# Altium PCB AUV4.5-1 Lights Control Board.PcbDoc (part 2 of 2)
Units mm, origin at the board's own origin, x right, y up, seen from the top; angles counter-clockwise.
Board outline 55 x 65 mm, 4 copper layers (L1 (SIG + PWR), L2 (GND), L3 (GND), L4 (SIG + PWR)), stack 1.586 mm thick; 88 components, 87 nets, 348 pads, 180 vias.
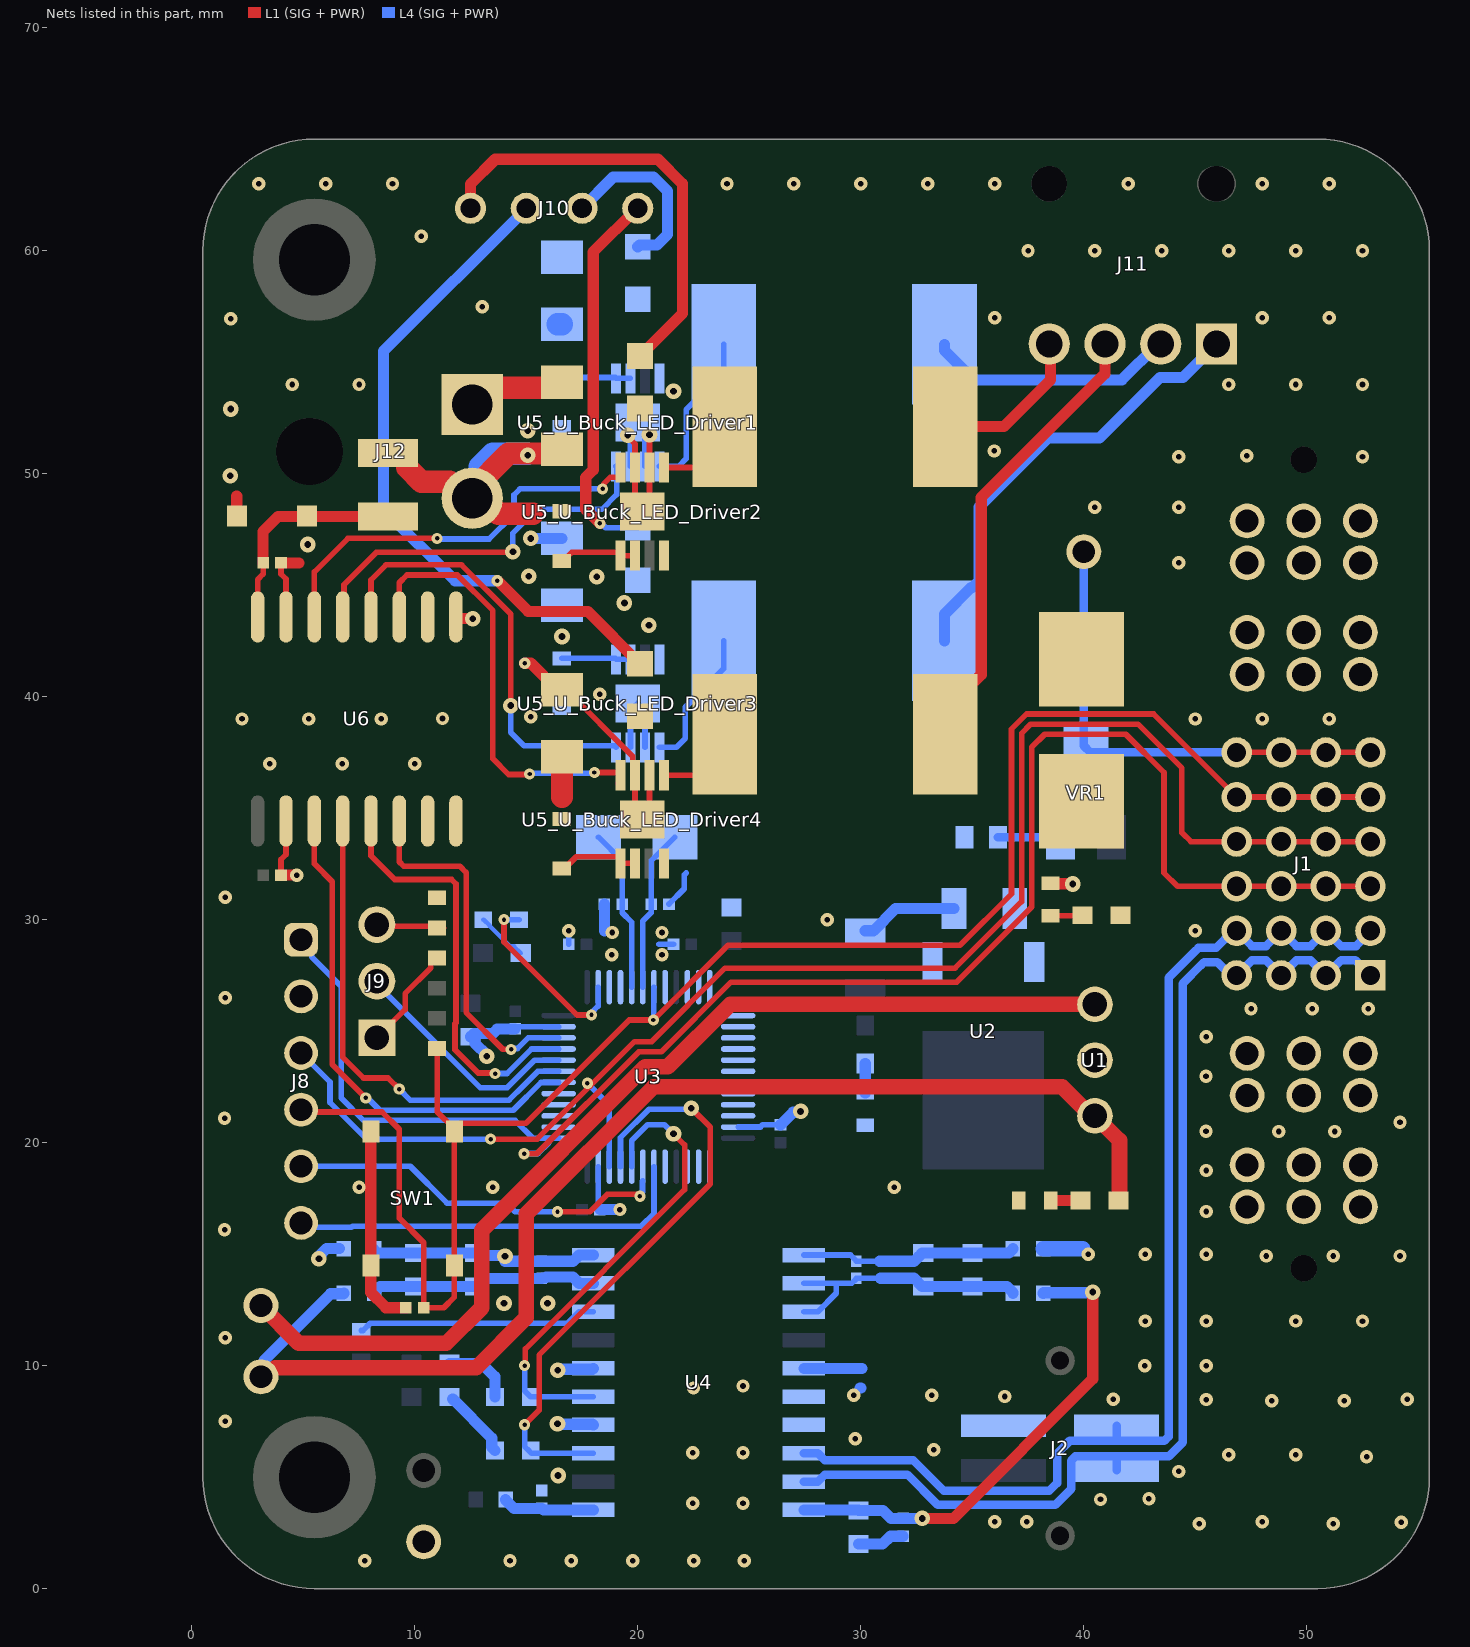
[diagram p4: the nets of this part, all layers, seen from the top]

## Via types
v1: diameter 0.6, hole 0.25, L1 (SIG + PWR) to L4 (SIG + PWR), tented both sides, 123 vias
v2: diameter 0.7, hole 0.3, L1 (SIG + PWR) to L4 (SIG + PWR), tented both sides, 36 vias
v3: diameter 0.5, hole 0.2, L1 (SIG + PWR) to L4 (SIG + PWR), tented both sides, 21 vias

## Nets (pads, with @x,y where several pads share a name; then routed paths per layer and width w, separated by ;. In a path a pad name is that pad's centre, name@x,y a point inside that pad or via, vN(x,y) a via of type N, cw(c..) or ccw(c..) an arc to the next point about the centre after c; other vN are vias at no path point) (continued)
+5.1V_UN-ISO: C24.2 D5.1 R13.2 U6.16 | length 9.8
  L1 (SIG + PWR) w0.254: U6.16@2.955,43.575 2.955,45.255 3.2,45.5 C24.2@3.2,46
  L1 (SIG + PWR) w0.5: C24.2@3.2,46 3.2,47.4 3.875,48.075 R13.2@8.8,48.075
+5V: C1.2 FB2.1 J5.1 R3.1 U1.3 U2.3 | length 56.1
  L1 (SIG + PWR) w0.7: J5.1@3.1,9.5 3.335,9.5 3.735,9.9 12.743,9.9 15,12.157 15,16.8 20.7,22.5 39.038,22.5 40.338,21.2 U1.3@40.5,21.2 41.6,20.1 41.6,17.45 R3.1@41.55,17.4
  L4 (SIG + PWR) w0.5: J5.1@3.1,9.3 3.234,9.434 3.234,10.234 6.221,13.221 6.796,13.221 FB2.1@6.825,13.25
+12V: F1.2 J4.1 R2.1 U1.1 | length 46.4
  L1 (SIG + PWR) w0.7: J4.1@3.1,12.7 4.8,11 11.4,11 13,12.6 13,16.073 20.327,23.4 21.342,23.4 24.142,26.2 U1.1@40.5,26.2
+12V_IN: F1.1 J1.P03_1 J1.P03_2 J1.P03_3 J1.P03_4 J1.P03_5 J1.P03_6
+14.8V_UN-ISO: C22_U_Buck_LED_Driver1.2 C22_U_Buck_LED_Driver2.2 C22_U_Buck_LED_Driver3.2 C22_U_Buck_LED_Driver4.2 D4_U_Buck_LED_Driver1.1 D4_U_Buck_LED_Driver2.1 D4_U_Buck_LED_Driver3.1 D4_U_Buck_LED_Driver4.1 J12.2 R12_U_Buck_LED_Driver1.1 R12_U_Buck_LED_Driver2.1 R12_U_Buck_LED_Driver3.1 R12_U_Buck_LED_Driver4.1 R13.1 U5_U_Buck_LED_Driver1.8 U5_U_Buck_LED_Driver2.8 U5_U_Buck_LED_Driver3.8 U5_U_Buck_LED_Driver4.8 | length 18.8
  L1 (SIG + PWR) w1: R13.1@8.8,50.925 9.525,50.925 9.65,50.8 9.65,50.287 10.303,49.635 J12.2@11.565,49.635 ; J12.2@11.9,49.3 12.297,49.3 J12.2@12.575,49.022 ; J12.2@12.575,48.9 J12.2@12.575,49.022 ; 15.3,48.2 13.749,48.2 12.926,49.022 J12.2@12.575,49.022 ; 16.6,35.5 C22_U_Buck_LED_Driver4.2@16.6,37.3 ; C22_U_Buck_LED_Driver2.2@16.6,51.1 16.4,50.9 14.2,50.9 12.575,49.275 J12.2@12.575,49.022
  L4 (SIG + PWR) w1: J12.2@11.9,49.3 12.501,49.3 12.91,49.708 12.91,50.31 13.495,50.895 v2@15.063,50.895 ; C22_U_Buck_LED_Driver1.2@16.4,56.7 C22_U_Buck_LED_Driver1.2@16.6,56.7
  other v1: 15.2,39.1 18.3,40.1
  other v2: 16.6,42.7 20.5,43.2 19.4,44.2 15.115,45.397 18.164,45.38 15.063,50.829 15.063,51.929 21.6,53.7
Board_ID: J1.A06 J1.B06 J1.C06 J1.D06 J7.1 VR1.2 | length 21.7
  L1 (SIG + PWR) w0.254: J1.D06@46.855,37.5 J1.C06@48.855,37.5 J1.B06@50.855,37.5 J1.A06@52.855,37.5
  L4 (SIG + PWR) w0.381: J7.1@40,46.5 40,37.8 40.3,37.5 J1.D06@46.855,37.5
BOOT0: J9.2 U3.44 | length 10.7
  L4 (SIG + PWR) w0.254: J9.2@8.3,27.24 8.3,27.1 9.352,26.048 12.931,22.469 14.145,22.469 15.375,23.698 16.448,23.698 U3.44@16.45,23.7
BOOT1: U3.20
CAN_N: J1.A02 J1.B02 J1.C02 J1.D02 J2.4 U4.18 | length 51.7
  L4 (SIG + PWR) w0.381: U4.18@27.45,6.07 28.075,6.07 28.393,5.752 32.356,5.752 33.709,4.399 38.462,4.399 38.8,4.738 38.8,6.063 39.372,6.635 41.47,6.635 ; J2.4@41.47,7.3 41.47,6.635 ; J1.A02@52.855,29.5 52.855,29.464 52.209,28.817 51.537,28.817 J1.B02@50.855,29.5 50.172,28.817 49.537,28.817 J1.C02@48.855,29.5 48.172,28.817 47.537,28.817 J1.D02@46.855,29.5 46.697,29.5 45.932,28.735 45.137,28.735 45,28.598 44.172,27.77 43.8,27.398 43.8,6.82 43.615,6.635 41.47,6.635
CAN_P: J1.A01 J1.B01 J1.C01 J1.D01 J2.2 U4.19 | length 51.6
  L4 (SIG + PWR) w0.381: U4.19@27.45,4.8 28.075,4.8 28.393,5.117 32.093,5.117 33.446,3.764 38.725,3.764 39.435,4.475 39.435,5.745 39.62,5.93 41.47,5.93 ; J2.2@41.47,5.3 41.47,5.93 ; J1.A01@52.855,27.5 52.361,27.994 52.361,27.998 52.177,28.182 51.537,28.182 J1.B01@50.855,27.5 50.172,28.182 49.537,28.182 J1.C01@48.855,27.5 48.172,28.182 47.537,28.182 J1.D01@46.855,27.5 46.588,27.5 45.988,28.1 45.4,28.1 45.263,27.963 44.435,27.135 44.435,6.557 43.808,5.93 41.47,5.93
CAN_RX: D3.1 U3.32 U4.5 | length 21.4
  L1 (SIG + PWR) w0.254: v3(14.925,10) 14.958,10.033 14.958,10.754 22.1,17.896 22.1,19.9 v2(21.6,20.4)
  L4 (SIG + PWR) w0.254: v3(14.925,10) 14.927,9.998 14.927,8.873 D3.1@15.2,8.6 15.21,8.61 U4.5@18,8.61 ; U3.32@19.725,18.925 19.725,20.083 20.442,20.8 21.2,20.8 v2(21.6,20.4)
CAN_TX: D2.1 U3.33 U4.3 | length 27.1
  L1 (SIG + PWR) w0.254: v3(14.925,7.35) 15.575,8 15.575,10.475 23.246,18.146 23.246,20.7 v2(22.4,21.546)
  L4 (SIG + PWR) w0.254: v3(14.925,7.35) 14.927,7.348 14.927,6.373 D2.1@15.13,6.17 ; D2.1@15.23,6.07 U4.3@18,6.07 ; U3.33@19.225,18.925 19.225,20.225 20.5,21.5 22.354,21.5 v2(22.4,21.546)
CANISO_+5V: C14.1 C15.1 FB3.1 U4.20 | length 21.9
  L1 (SIG + PWR) w0.5: v2(32.75,3.15) 34.15,3.15 40.4,9.4 v2(40.4,13.3)
  L4 (SIG + PWR) w0.5: U4.20@27.45,3.53 29.9,3.53 C15.1@29.9,3.5 31,3.5 31.35,3.15 C14.1@31.9,3.15 v2(32.75,3.15) ; FB3.1@38.175,13.25 FB3.1@38.2,13.275 ; FB3.1@38.186,13.243 38.211,13.268 40.386,13.268 v2@40.411,13.293 ; v2@40.375,13.275 v2(40.4,13.3)
CANISO_GND: C14.2 C15.2 FB5.1 J1.P01_1 J1.P01_2 J1.P01_3 J1.P01_4 J1.P01_5 J1.P01_6 J1.P02_1 J1.P02_2 J1.P02_3 J1.P02_4 J1.P02_5 J1.P02_6 J2.3 U4.15 U4.16 U4.17 | length 6.5
  L4 (SIG + PWR) w0.5: U4.15@27.45,9.88 30.045,9.88 30.05,9.875 ; C15.2@29.9,2 30.975,2 31.325,2.35 C14.2@31.9,2.35 ; 29.973,9 30,9
  L4 (SIG + PWR) w0.7: FB5.1@38.186,15.243 39.961,15.243
  other v1: 45.18,2.918 51.18,2.918 54.229,2.979 36,3 37.437,3.005 48,3 40.75,4 42.922,4.027 44.252,5.255 52.68,5.918 46.5,6 49.5,6 33.268,6.221 29.754,6.73 48.43,8.418 51.68,8.418 41.314,8.493 45.484,8.48 54.5,8.5 36.451,8.616 29.68,8.668 33.18,8.668 45.496,9.991 42.731,10.001 42.75,12 45.5,12 49.5,12 52.5,12 48.18,14.918 51.18,14.918 54.18,14.918 40.204,14.992 42.75,15 45.5,15 45.5,16.912 45.5,18.75 45.482,20.507 48.75,20.5 51.25,20.5 54.18,20.918 45.482,22.976 45.5,24.75 47.5,26 50.25,26 52.75,26 45,29.5
FB_GND: C13.2 C16.2 C17.2 C18.2 FB4.2 U4.4 U4.6 U4.10 | length 13.3
  L4 (SIG + PWR) w0.5: FB4.2@8.175,15.2 8.175,15.175 8.3,15.05 C16.2@10,15.05 12.788,15.05 12.9,14.938 14.008,14.938 v2(14.046,14.9) ; v2@14.046,14.679 C18.2@15.7,14.679 17.094,14.679 17.375,14.96 U4.10@18,14.96 ; v2(16.4,7.4) 16.43,7.37 17.97,7.37 U4.4@18,7.34 ; v2(16.406,9.8) 16.444,9.838 17.958,9.838 U4.6@18,9.88
  other v2: 16.425,5.075 14,12.8 15.954,12.8
GND: C3.1 C4.1 C5.1 C6.1 C7.1 C8.1 C9.1 C10.1 C11.1 C12.1 C23.1 DS1.2 DS2.2 DS3.2 FB4.1 J1.P04_1 J1.P04_2 J1.P04_3 J1.P04_4 J1.P04_5 J1.P04_6 J3.1 J8.2 R1.1 R5.1 SW1.3 SW1.4 U1.2 U2.1 U3.8 U3.23 U3.35 U3.47 U6.2 U6.7 U6.8 U6.10 | length 29.9
  L1 (SIG + PWR) w0.254: C23.1@4,32 4,32.7 4.225,32.925 U6.2@4.225,34.425
  L1 (SIG + PWR) w0.5: C23.1@4,32 v1(4.7,32) ; SW1.3@8.025,20.5 SW1.4@8.025,14.5 8.025,13.275 8.7,12.6 C12.1@9.6,12.6 ; DS1.2@38.5,31.625 38.512,31.612 39.488,31.612 v2(39.5,31.6)
  L4 (SIG + PWR) w0.254: C7.1@14.5,25.1 14.598,25.198 16.448,25.198 U3.47@16.45,25.2 ; C4.1@16.9,28.9 v1(16.9,29.496) ; U3.35@18.225,18.925 18.225,17.075 C6.1@18.3,17 ; 20.947,28.9 C8.1@21.6,28.9 ; C11.1@21.4,30.7 22.083,31.383 22.083,32.007 22.169,32.093 ; U3.23@24.5,20.7 25.5,20.7 25.6,20.8 C5.1@26.4,20.8
  L4 (SIG + PWR) w0.5: v2(5.7,14.8) 5.738,14.838 5.738,14.938 6.05,15.25 FB4.1@6.625,15.25 ; C3.1@12.5,24.75 12.65,24.9 13.5,24.9 13.7,25.1 C7.1@14.5,25.1 ; C3.1@12.55,24.75 12.7,24.6 12.7,24.454 13.231,23.924 v2(13.231,23.869) ; C6.1@18.3,17 v1(19.2,17) ; 18.5,29.5 C10.1@18.5,30.7 ; C5.1@26.4,20.8 26.962,21.362 27.262,21.362 v2(27.3,21.4)
  other v1: 7.75,1.25 14.268,1.26 17.018,1.26 19.768,1.26 22.518,1.26 24.768,1.26 22.468,3.838 24.718,3.838 22.468,6.088 24.718,6.088 1.5,7.5 22.5,9 24.718,9.088 1.5,11.25 1.468,16.088 7.5,18 13.5,18 31.5,18 1.468,21.088 1.5,26.5 18.825,28.425 21.086,28.425 18.85,29.425 21.086,29.425 28.5,30 1.5,31 3.5,37 6.75,37 10,37 2.25,39 5.25,39 8.5,39 11.241,39.021 45,39 48,39 51,39 44.25,46 40.5,48.5 44.25,48.5 44.25,50.75 52.5,50.75 47.312,50.8
GND_UN-ISO: C22_U_Buck_LED_Driver1.1 C22_U_Buck_LED_Driver2.1 C22_U_Buck_LED_Driver3.1 C22_U_Buck_LED_Driver4.1 C24.1 D5.2 J12.1 U5_U_Buck_LED_Driver1.2 U5_U_Buck_LED_Driver1.3 U5_U_Buck_LED_Driver1.9 U5_U_Buck_LED_Driver2.2 U5_U_Buck_LED_Driver2.3 U5_U_Buck_LED_Driver2.9 U5_U_Buck_LED_Driver3.2 U5_U_Buck_LED_Driver3.3 U5_U_Buck_LED_Driver3.9 U5_U_Buck_LED_Driver4.2 U5_U_Buck_LED_Driver4.3 U5_U_Buck_LED_Driver4.9 U6.9 U6.15 | length 37.4
  L1 (SIG + PWR) w0.254: C24.1@4,46 4,45.5 4.225,45.275 U6.15@4.225,43.575 ; C22_U_Buck_LED_Driver4.1@16.4,40.3 C22_U_Buck_LED_Driver4.1@16.6,40.3 16.8,40.3 19.777,37.323 19.777,36.573 U5_U_Buck_LED_Driver4.3@19.875,36.475 19.875,34.825 U5_U_Buck_LED_Driver4.9@20.2,34.5 20.525,34.825 U5_U_Buck_LED_Driver4.2@20.525,36.475 ; v2(19.55,51.725) 19.55,51.652 19.875,51.327 U5_U_Buck_LED_Driver2.3@19.875,50.275 19.875,48.625 U5_U_Buck_LED_Driver2.9@20.2,48.3 20.525,48.625 U5_U_Buck_LED_Driver2.2@20.525,50.275 v2(20.525,51.746)
  L1 (SIG + PWR) w0.5: 2,49 2.012,48.987 2.012,48.112 D5.2@2.025,48.1 ; C24.1@4,46 4.8,46 ; U6.9@11.845,43.575 11.845,43.546 11.891,43.5 v2(12.6,43.5) ; v3(14.931,41.5) 15.2,41.5 C22_U_Buck_LED_Driver4.1@16.4,40.3
  L1 (SIG + PWR) w1: J12.1@11.9,53.5 12.25,53.85 16.35,53.85 C22_U_Buck_LED_Driver2.1@16.6,54.1
  L4 (SIG + PWR) w0.254: U5_U_Buck_LED_Driver3.3@19.675,37.725 19.675,39.375 U5_U_Buck_LED_Driver3.9@20,39.7 20.325,39.375 U5_U_Buck_LED_Driver3.2@20.325,37.725 ; U5_U_Buck_LED_Driver1.3@19.675,50.325 U5_U_Buck_LED_Driver1.9@19.675,51.725 ; U5_U_Buck_LED_Driver1.2@20.325,50.325 U5_U_Buck_LED_Driver1.9@20.325,51.746
  L4 (SIG + PWR) w0.5: v2(15.2,47.096) 16.596,47.096 C22_U_Buck_LED_Driver3.1@16.6,47.1
  other v1: 35.981,51.018 4.5,54 7.5,54 46.5,54 49.5,54 52.5,54 1.744,56.948 36,57 48,57 51,57 13.018,57.477 37.5,60 40.5,60 43.5,60 46.5,60 49.5,60 52.5,60 10.287,60.645 3,63 6,63 9,63 24,63 27,63 30,63 33,63 36,63 42,63 48,63 51,63
  other v2: 5.2,46.825 1.725,49.9 1.75,52.9
LED1_A: J10.1 R12_U_Buck_LED_Driver3.2 | length 17.2
  L1 (SIG + PWR) w0.5: v3(18.3,47.769) 17.665,48.404 17.665,49.829 18,50.164 18,59.933 19.967,61.9 J10.1@20,61.9
  L4 (SIG + PWR) w0.254: v3(18.3,47.769) 18.367,47.769 18.561,47.575 R12_U_Buck_LED_Driver3.2@20,47.575
LED1_K: J11.1 L1_U_Buck_LED_Driver3.1 | length 20.4
  L4 (SIG + PWR) w0.5: L1_U_Buck_LED_Driver3.1@33.75,42.5 33.75,43.696 34.95,44.896 35.009,44.896 35.304,45.191 35.304,48.504 38.4,51.6 40.7,51.6 43.415,54.315 44.445,54.315 J11.1@45.95,55.82
LED1_PWM: U3.45 U6.5 | length 18.9
  L1 (SIG + PWR) w0.254: U6.5@8.035,34.425 8.035,32.865 9.1,31.8 11.652,31.8 11.846,31.606 11.846,25.383 11.8,25.337 11.8,24.166 12.846,23.12 13.58,23.12 v3(13.6,23.1)
  L4 (SIG + PWR) w0.254: v3@13.601,23.1 14.135,23.1 15.235,24.2 U3.45@16.45,24.2
LED1_PWM_UNISO: U5_U_Buck_LED_Driver3.4 U6.12 | length 19.4
  L1 (SIG + PWR) w0.254: U6.12@8.035,43.575 8.035,45.235 8.708,45.908 12.092,45.908 14.3,43.7 v2(14.3,39.6)
  L4 (SIG + PWR) w0.254: v2(14.3,39.6) 14.3,38.4 14.9,37.8 18.95,37.8 U5_U_Buck_LED_Driver3.4@19.025,37.725
LED2_A: J10.2 R12_U_Buck_LED_Driver1.2 | length 8.2
  L4 (SIG + PWR) w0.5: J10.2@17.5,61.9 18.9,63.3 20.7,63.3 21.325,62.675 21.325,60.725 20.855,60.255 20.08,60.255 R12_U_Buck_LED_Driver1.2@20,60.175
LED2_K: J11.2 L1_U_Buck_LED_Driver1.1 | length 11.2
  L4 (SIG + PWR) w0.5: L1_U_Buck_LED_Driver1.1@33.75,55.8 33.75,55.523 35.073,54.2 41.7,54.2 43.32,55.82 J11.2@43.45,55.82
LED2_PWM: U3.43 U6.4 | length 21.6
  L1 (SIG + PWR) w0.254: U6.4@6.765,34.425 6.765,23.835 7.7,22.9 8.8,22.9 v3(9.3,22.4)
  L4 (SIG + PWR) w0.254: v3(9.3,22.4) 9.792,21.908 14.227,21.908 14.894,22.575 15.517,23.198 16.448,23.198 U3.43@16.45,23.2
LED2_PWM_UNISO: U5_U_Buck_LED_Driver1.4 U6.13 | length 17.1
  L1 (SIG + PWR) w0.254: U6.13@6.765,43.575 6.822,43.632 6.822,45.022 8.269,46.469 14.369,46.469 v2(14.4,46.5)
  L4 (SIG + PWR) w0.254: v2(14.4,46.5) 14.4,47.334 15.466,48.4 18.391,48.4 19.05,49.059 19.05,50.3 U5_U_Buck_LED_Driver1.4@19.025,50.325
LED3_A: J10.3 R12_U_Buck_LED_Driver4.2 | length 30.5
  L1 (SIG + PWR) w0.5: v3(13.7,45.2) 15.089,43.811 17.764,43.811 R12_U_Buck_LED_Driver4.2@20.1,41.475
  L4 (SIG + PWR) w0.5: v3(13.7,45.2) 11.8,45.2 8.6,48.4 8.6,55.5 J10.3@15,61.9
LED3_K: J11.3 L1_U_Buck_LED_Driver4.1 | length 20.5
  L1 (SIG + PWR) w0.5: L1_U_Buck_LED_Driver4.1@33.793,38.313 33.793,39.509 34.993,40.709 35.126,40.709 35.4,40.982 35.4,48.934 40.95,54.484 J11.3@40.95,55.82
LED3_PWM: U3.46 U6.6 | length 16.4
  L1 (SIG + PWR) w0.254: U6.6@9.305,34.425 9.3,34.42 9.3,32.6 9.5,32.4 12.017,32.4 12.3,32.117 12.3,25.834 13.947,24.187 14.313,24.187 v3(14.321,24.179)
  L4 (SIG + PWR) w0.254: v3(14.321,24.179) 14.368,24.226 14.608,24.226 15.082,24.7 U3.46@16.45,24.7
LED3_PWM_UNISO: U5_U_Buck_LED_Driver4.4 U6.11 | length 19.7
  L1 (SIG + PWR) w0.254: U6.11@9.305,43.575 9.305,45.105 9.654,45.454 11.904,45.454 13.5,43.858 13.5,37.214 14.207,36.507 15.122,36.507 v3(15.146,36.531) ; v3(18.054,36.6) 19.127,36.6 19.225,36.502 U5_U_Buck_LED_Driver4.4@19.225,36.475 19.225,36.198 U5_U_Buck_LED_Driver4.4@19.127,36.1
  L4 (SIG + PWR) w0.254: v3(15.146,36.531) 15.181,36.565 18.019,36.565 v3(18.054,36.6)
LED4_A: J10.4 R12_U_Buck_LED_Driver2.2 | length 20
  L1 (SIG + PWR) w0.5: J10.4@12.5,61.9 12.5,62.992 13.608,64.1 20.9,64.1 22,63 22,57.175 R12_U_Buck_LED_Driver2.2@20.1,55.275
LED4_K: J11.4 L1_U_Buck_LED_Driver2.1 | length 7.7
  L1 (SIG + PWR) w0.5: L1_U_Buck_LED_Driver2.1@33.793,52.113 36.413,52.113 38.5,54.2 J11.4@38.5,56.3
LED4_PWM: U3.42 U6.3 | length 22.8
  L1 (SIG + PWR) w0.254: U6.3@5.495,34.425 5.495,32.505 6.3,31.7 6.3,23.508 v3(7.804,22.004)
  L4 (SIG + PWR) w0.254: v3(7.804,22.004) 7.87,22.004 7.993,21.881 8.004,21.881 8.43,21.454 14.415,21.454 15.659,22.698 16.448,22.698 U3.42@16.45,22.7
LED4_PWM_UNISO: U5_U_Buck_LED_Driver2.4 U6.14 | length 18.5
  L1 (SIG + PWR) w0.254: U6.14@5.495,43.575 5.495,45.595 7,47.1 v3(11,47.1) ; v3(18.419,49.32) 18.466,49.367 18.466,49.539 18.771,49.844 19.127,49.844 19.225,49.942 U5_U_Buck_LED_Driver2.4@19.225,50.275
  L4 (SIG + PWR) w0.254: v3(11,47.1) 11.032,47.068 13.334,47.068 14.449,48.183 14.449,49.049 14.72,49.32 v3(18.419,49.32)
NetC1_1: C1.1 C2.1 | length 4.4
  L4 (SIG + PWR) w0.5: C2.1@30.2,29.5 30.56,29.5 31.56,30.5 C1.1@34.18,30.5
NetC13_1: C13.1 FB1.2 U4.1 | length 4.1
  L4 (SIG + PWR) w0.5: FB1.2@14.075,4 14.075,3.975 14.45,3.6 C13.1@15.7,3.6 15.77,3.53 U4.1@18,3.53
NetC16_1: C16.1 C17.1 C18.1 FB2.2 U4.9 | length 10.3
  L4 (SIG + PWR) w0.5: FB2.2@8.175,13.2 FB2.2@8.175,13.225 ; FB2.2@8.175,13.25 8.175,13.275 8.45,13.55 C16.1@10,13.55 12.75,13.55 13.115,13.915 C18.1@15.686,13.915 ; C18.1@15.7,13.921 15.708,13.929 15.848,13.929 15.89,13.971 17.094,13.971 17.375,13.69 U4.9@18,13.69
NetC19_1: C19.1 C20.1 C21.1 FB3.2 U4.12 U4.13 | length 12
  L4 (SIG + PWR) w0.254: U4.13@27.45,12.42 28.075,12.42 28.9,13.245 28.9,13.69 ; U4.12@27.45,13.69 28.9,13.69 ; 30.879,13.921 C19.1@29.8,13.921 29.8,13.9 29.59,13.69 28.9,13.69
  L4 (SIG + PWR) w0.5: 30.879,13.921 32.379,13.921 32.75,13.55 C20.1@32.8,13.55 C21.1@35,13.55 36.55,13.55 36.825,13.275 FB3.2@36.825,13.25
NetC19_2: C19.2 C20.2 C21.2 FB5.2 U4.11 | length 9.8
  L4 (SIG + PWR) w0.254: U4.11@27.45,14.96 29.54,14.96 29.8,14.7 C19.2@29.8,14.679 30.85,14.679
  L4 (SIG + PWR) w0.5: 30.85,14.679 32.38,14.679 32.6,14.898 32.6,14.9 32.75,15.05 C20.2@32.8,15.05 C21.2@35,15.05 36.65,15.05 36.825,15.225 FB5.2@36.825,15.25
NetD1_2: D1.2 R8.2 | length 2.3
  L4 (SIG + PWR) w0.203: D1.2@13.073,30 13.098,30 13.371,29.726 13.371,29.701 14.274,28.798 14.452,28.798 R8.2@14.75,28.5
NetD2_2: D2.2 R9.2 | length 3.1
  L4 (SIG + PWR) w0.5: R9.2@11.7,8.5 11.75,8.45 13.45,6.75 13.45,6.35 D2.2@13.6,6.2
NetD3_2: D3.2 R10.2 | length 3.2
  L4 (SIG + PWR) w0.5: R10.2@11.55,10.1 13,10.1 13.6,9.5 D3.2@13.6,8.6
NetD4_U_Buck_LED_Driver1_2: D4_U_Buck_LED_Driver1.2 U5_U_Buck_LED_Driver1.5 U5_U_Buck_LED_Driver1.6 | length 3.1
  L4 (SIG + PWR) w0.254: D4_U_Buck_LED_Driver1.2@16.6,54.315 18.985,54.315 U5_U_Buck_LED_Driver1.5@19.025,54.275 ; U5_U_Buck_LED_Driver1.5@19.031,54.281 U5_U_Buck_LED_Driver1.6@19.669,54.281
NetD4_U_Buck_LED_Driver2_2: D4_U_Buck_LED_Driver2.2 U5_U_Buck_LED_Driver2.5 U5_U_Buck_LED_Driver2.6 | length 3.6
  L1 (SIG + PWR) w0.254: D4_U_Buck_LED_Driver2.2@16.6,46.085 16.7,46.085 16.888,46.273 16.888,46.322 17.036,46.47 19.127,46.47 19.225,46.372 U5_U_Buck_LED_Driver2.5@19.225,46.325 U5_U_Buck_LED_Driver2.6@19.875,46.325
NetD4_U_Buck_LED_Driver3_2: D4_U_Buck_LED_Driver3.2 U5_U_Buck_LED_Driver3.5 U5_U_Buck_LED_Driver3.6 | length 3
  L4 (SIG + PWR) w0.254: D4_U_Buck_LED_Driver3.2@16.6,41.715 U5_U_Buck_LED_Driver3.5@18.985,41.715 ; U5_U_Buck_LED_Driver3.5@19.031,41.681 U5_U_Buck_LED_Driver3.6@19.669,41.681
NetD4_U_Buck_LED_Driver4_2: D4_U_Buck_LED_Driver4.2 U5_U_Buck_LED_Driver4.5 U5_U_Buck_LED_Driver4.6 | length 3.7
  L1 (SIG + PWR) w0.254: D4_U_Buck_LED_Driver4.2@16.6,32.285 16.7,32.285 17.239,32.824 19.127,32.824 19.225,32.726 U5_U_Buck_LED_Driver4.5@19.225,32.525 U5_U_Buck_LED_Driver4.6@19.875,32.525
NetDS1_1: DS1.1 R2.2 | length 1.5
  L1 (SIG + PWR) w0.254: DS1.1@38.5,30.175 39.925,30.175 R2.2@39.95,30.2
NetDS2_1: DS2.1 R3.2 | length 1.3
  L1 (SIG + PWR) w0.5: DS2.1@38.525,17.4 R3.2@39.85,17.4
NetDS3_1: DS3.1 R4.2 | length 1.3
  L4 (SIG + PWR) w0.5: DS3.1@30.2,22.225 R4.2@30.2,23.55
NetJ9_1: J9.1 R6.1 | length 4.7
  L1 (SIG + PWR) w0.254: J9.1@8.3,24.7 9.567,25.967 9.567,26.688 10.721,27.842 10.721,28.074 10.923,28.277 R6.1@11,28.277
NetJ9_3: J9.3 R5.2 | length 3.1
  L1 (SIG + PWR) w0.254: J9.3@8.3,29.78 8.378,29.702 11.222,29.702 R5.2@11.3,29.623
NetL1_U_Buck_LED_Driver1_2: L1_U_Buck_LED_Driver1.2 U5_U_Buck_LED_Driver1.1 | length 7.3
  L4 (SIG + PWR) w0.254: U5_U_Buck_LED_Driver1.1@21.05,50.4 U5_U_Buck_LED_Driver1.1@20.975,50.325 21.825,50.325 22.168,50.668 22.168,52.868 23.85,54.55 L1_U_Buck_LED_Driver1.2@23.85,55.8
NetL1_U_Buck_LED_Driver2_2: L1_U_Buck_LED_Driver2.2 U5_U_Buck_LED_Driver2.1 | length 3.8
  L1 (SIG + PWR) w0.254: U5_U_Buck_LED_Driver2.1@21.175,50.275 22.627,50.275 23.95,51.598 L1_U_Buck_LED_Driver2.2@23.95,52.1
NetL1_U_Buck_LED_Driver3_2: L1_U_Buck_LED_Driver3.2 U5_U_Buck_LED_Driver3.1 | length 6.4
  L4 (SIG + PWR) w0.254: U5_U_Buck_LED_Driver3.1@20.975,37.725 21.725,37.725 22.126,38.126 22.126,39.526 23.85,41.25 L1_U_Buck_LED_Driver3.2@23.85,42.5
NetL1_U_Buck_LED_Driver4_2: L1_U_Buck_LED_Driver4.2 U5_U_Buck_LED_Driver4.1 | length 1.5
  L1 (SIG + PWR) w0.254: U5_U_Buck_LED_Driver4.1@21.175,36.475 L1_U_Buck_LED_Driver4.2@22.627,36.475
NetR1_2: R1.2 VR1.1 | length 2.8
  L4 (SIG + PWR) w0.381: R1.2@36.15,33.7 VR1.1@38.95,33.7
NetR11_2: R11.2 U4.8 | length 10.7
  L4 (SIG + PWR) w0.254: R11.2@7.6,11.577 7.677,11.577 8,11.9 16.855,11.9 17.375,12.42 U4.8@18,12.42
NetU3_38: U3.38
NRST: C12.2 J1.A05 J1.B05 J1.C05 J1.D05 J8.4 R7.2 SW1.1 SW1.2 U3.7 | length 82.4
  L1 (SIG + PWR) w0.254: J8.4@4.9,21.48 5.007,21.373 8.527,21.373 9.3,20.6 9.3,16.614 10.4,15.514 C12.2@10.4,12.6 11.3,12.6 11.775,13.075 SW1.2@11.775,14.5 SW1.1@11.775,20.5 SW1.1@11.775,20.614 ; R7.2@11,24.223 11,21.389 SW1.1@11.775,20.614 ; J1.A05@52.855,35.5 J1.B05@50.855,35.5 J1.C05@48.855,35.5 J1.D05@46.855,35.5 43.132,39.223 37.436,39.223 36.756,38.543 36.756,31.156 34.451,28.851 24.051,28.851 v3(20.7,25.5) 19.616,25.5 14.984,20.868 12.029,20.868 SW1.1@11.775,20.614
  L4 (SIG + PWR) w0.254: v3(20.7,25.5) 20.723,25.523 20.723,26.973 U3.7@20.725,26.975
PA0: U3.10
PA1: U3.11
PA2: U3.12
PA3: U3.13
PA4: U3.14
PA5: U3.15
PA6: U3.16
PA7: U3.17
PA8: U3.29
PB0: U3.18
PB1: U3.19
PB3: U3.39
PB4: U3.40
PB5: U3.41
PB10: U3.21
PB11: U3.22
PB12: U3.25
PB13: U3.26
PB14: U3.27
PC14: U3.3
PC15: U3.4
RCC_OSC_IN: C10.2 U3.5 XTAL1.1 | length 8
  L4 (SIG + PWR) w0.254: XTAL1.1@18.235,33.7 19.3,32.635 C10.2@19.3,30.7 19.3,30.313 19.725,29.888 U3.5@19.725,26.975 19.727,26.977 U3.5@19.727,27.623
RCC_OSC_OUT: C11.2 U3.6 XTAL1.2 | length 7.3
  L4 (SIG + PWR) w0.254: U3.6@20.225,26.975 20.225,29.938 20.6,30.313 C11.2@20.6,30.7 20.6,32.635 XTAL1.2@21.664,33.7
STM_STATUS: D1.1 U3.2 | length 8.3
  L1 (SIG + PWR) w0.254: v3(14,30) 14,29 17.272,25.728 v3(17.924,25.728)
  L4 (SIG + PWR) w0.254: v3(14,30) D1.1@14.673,30 ; v3(17.924,25.728) 17.971,25.775 17.971,25.871 18.223,26.123 18.223,26.973 U3.2@18.225,26.975
SWCLK: J1.A03 J1.B03 J1.C03 J1.D03 J8.1 U3.37 | length 75.3
  L1 (SIG + PWR) w0.254: v3(14.9,19.5) 15.47,19.5 20.047,24.077 21.062,24.077 24.185,27.2 34.3,27.2 37.668,30.568 37.668,37.735 38.248,38.315 41.885,38.315 43.6,36.6 43.6,32.1 44.2,31.5 J1.D03@46.855,31.5 J1.C03@48.855,31.5 J1.B03@50.855,31.5 J1.A03@52.855,31.5
  L4 (SIG + PWR) w0.254: J8.1@4.9,29.1 5.377,28.623 5.377,28.323 6.7,27 6.7,22 7.7,21 14.5,21 15.3,20.2 U3.37@16.006,20.2 ; v3@14.967,19.5 v3(14.9,19.5) 14.914,19.514 15.527,19.514 16.004,19.991 16.004,20.198 U3.37@16.006,20.2 ; U3.37@16.45,20.2 U3.37@16.006,20.2
SWDIO: J1.A04 J1.B04 J1.C04 J1.D04 J8.3 U3.34 | length 70.4
  L1 (SIG + PWR) w0.254: v3(13.4,20.158) 15.486,20.158 v3@17.864,22.536 ; v3(17.739,22.661) v3@17.864,22.536 ; J1.A04@52.855,33.5 J1.B04@50.855,33.5 J1.C04@48.855,33.5 J1.D04@46.855,33.5 44.8,33.5 44.4,33.9 44.4,36.8 42.431,38.769 37.624,38.769 37.21,38.355 37.21,30.81 34.225,27.825 23.917,27.825 20.623,24.531 19.859,24.531 v3@17.864,22.536
  L4 (SIG + PWR) w0.254: J8.3@4.9,24.02 6.2,22.72 6.2,21.8 7.842,20.158 v3(13.4,20.158) ; v3(17.739,22.661) 18.721,21.679 18.724,21.274 18.725,21.161 U3.34@18.725,18.925
USART1_RX: J8.5 U3.31 | length 17
  L1 (SIG + PWR) w0.254: v3(16.4,16.9) 17.849,16.9 18.63,17.681 v3@20.013,17.681
  L4 (SIG + PWR) w0.254: J8.5@4.9,18.94 9.797,18.94 11.447,17.29 14.11,17.29 14.5,16.9 v3(16.4,16.9) ; v3@20.094,17.606 20.094,17.667 20.214,17.787 20.214,18.268 U3.31@20.223,18.277
  other v3: 20.094,17.6
USART1_TX: J8.6 U3.30 | length 18.3
  L4 (SIG + PWR) w0.254: J8.6@4.9,16.4 5.1,16.2 7.158,16.2 7.212,16.254 20.154,16.254 20.725,16.825 U3.30@20.725,18.925
pads on no net: J1. J2.1 J2.MH1 J2.MH2 J11. J12. U3.28 U4.2 U4.7 U4.14 U5_U_Buck_LED_Driver1.7 U5_U_Buck_LED_Driver2.7 U5_U_Buck_LED_Driver3.7 U5_U_Buck_LED_Driver4.7 VR1.3

## Polygon pours and split planes (outlines as drawn)
GND on L1 (SIG + PWR) "GND_L01_P046" (solid, remove dead copper, pour order 46): 55.443,4.795 cw(c50.656,4.795) 50.656,0.008 50.456,0.008 5.456,0.008 cw(c5.456,5.008) 0.456,5.008 0.456,60.445 cw(c5.316,60.054) 1.943,63.574 cw(c5.405,60.113) 5.405,65.008 50.456,65.008 cw(c50.457,60.181) 53.871,63.594 54.374,63.09 cw(c51.419,60.443) 55.38,60.224
+12V_IN on L1 (SIG + PWR) "+12V_IN_L01_P036" (solid, remove dead copper, pour order 36): 37.2,44.4 54,44.4 54,39.7 43.2,39.7 42.3,38.8 37.2,38.8
GND_UN-ISO on L1 (SIG + PWR) "GND_UN-ISO_L01_P031" (solid, remove dead copper, pour order 31): 41.9,52.6 35.8,46.5 35.8,31.1 13.1,31.1 13.1,42.3 11.3,42.3 11.3,45.1 9.8,45.1 9.8,42.3 0.5,42.3 0.5,60.11 cw(c5.304,60.11) 1.907,63.507 1.915,63.515 cw(c5.5,59.93) 5.5,65 27.8,65 50.5,65 cw(c50.5,60.172) 53.914,63.586 54.329,63.171 cw(c51.366,60.429) 55.4,60.271 55.4,52.6
+14.8V_UN-ISO on L1 (SIG + PWR) "+14.8V_UN-ISO_L01_P029" (solid, remove dead copper, pour order 29): 13.353,52.5 18.1,52.5 18.1,54.2 22.1,54.2 22.1,31.1 13.248,31.1
FB_GND on L1 (SIG + PWR) "FB_GND_L01_P043" (solid, remove dead copper, pour order 43): 7.627,15.923 19.252,15.923 21.202,13.973 21.202,2.905 13.402,2.905 13.302,2.905 13.302,5.498 19.102,5.498 19.102,6.498 15.702,6.498 15.702,8.105 19.102,8.105 19.102,9.105 15.702,9.105 15.702,10.798 6.602,10.798 6.602,12.605 7.584,12.605 7.627,12.648
CANISO_GND on L1 (SIG + PWR) "CANISO_GND_L01_P040" (solid, remove dead copper, pour order 40): 50.5,0 ccw(c50.5,5) 55.5,5 55.5,30.5 43,30.5 43,16.2 38.8,16.2 38.8,10.6 26,10.6 26,0
+12V on L1 (SIG + PWR) "+12V_L01_P039" (solid, remove dead copper, pour order 39): 42.5,25 42.5,32.5 42.5,38.2 37.2,38.2 37.2,32.5 40.7,32.5 40.7,30.25 39.1,29.05 39.1,25
GND on L4 (SIG + PWR) "GND_L04_P045" (solid, remove dead copper, pour order 45): 55.453,4.787 cw(c50.666,4.787) 50.666,0 50.466,0 5.466,0 cw(c5.466,5) 0.466,5 0.466,60.437 cw(c5.326,60.046) 1.952,63.566 cw(c5.414,60.104) 5.414,65 50.466,65 cw(c50.467,60.173) 53.88,63.586 54.384,63.082 cw(c51.428,60.435) 55.39,60.216
GND_UN-ISO on L4 (SIG + PWR) "GND_UN-ISO_L04_P034" (solid, pour order 34): 50.5,65 cw(c50.5,60) 55.5,60 55.5,52.5 42.8,52.5 35.8,45.5 35.8,36 13,36 13,42.1 0.5,42.1 0.5,60.11 cw(c5.304,60.11) 1.907,63.507 cw(c5.5,59.93) 5.5,65
+14.8V_UN-ISO on L4 (SIG + PWR) "+14.8V_UN-ISO_L04_P032" (solid, remove dead copper, pour order 32): 14.6,58.3 18.5,58.3 18.5,59 22,59 22,49.1 18.1,49.1 18.1,51.1 14.6,51.1
FB_GND on L4 (SIG + PWR) "FB_GND_L04_P037" (solid, remove dead copper, pour order 37): 7.625,15.925 19.25,15.925 21.2,13.975 21.2,2.907 13.4,2.907 13.3,2.907 13.3,5.5 19.1,5.5 19.1,6.5 15.7,6.5 15.7,8.107 19.1,8.107 19.1,9.107 15.7,9.107 15.7,10.8 6.6,10.8 6.6,12.607 7.582,12.607 7.625,12.65
+14.8V_UN-ISO on L4 (SIG + PWR) "+14.8V_UN-ISO_L04_P033" (solid, remove dead copper, pour order 33): 14.683,45.8 18.583,45.8 18.583,46.5 22.083,46.5 22.083,36.5 18.183,36.5 18.183,38.6 14.683,38.6
+3V3 on L4 (SIG + PWR) "+3V3_L04_P035" (solid, remove dead copper, pour order 35): 38.2,18 32.1,18 32.1,24.1 28.7,24.1 28.7,27.86 28.73,27.89 28.82,27.8 32.2,27.8 32.2,26 38.2,26
+5V on L4 (SIG + PWR) "+5V_L04_P038" (solid, remove dead copper, pour order 38): 35.9,32 38.1,32 38.1,30.6 38.9,29.8 38.9,26.6 38.9,22.6 41.9,22.6 41.9,19.7 35.9,19.7
CANISO_GND on L4 (SIG + PWR) "CANISO_GND_L04_P042" (solid, remove dead copper, pour order 42): 50.501,-0.047 ccw(c50.501,4.953) 55.501,4.953 55.501,30.493 43.001,30.493 43.001,16.153 38.801,16.153 38.801,10.553 26.001,10.553 26.001,-0.047
GND on L3 (GND) (split plane): 54.99,30.629 42.9,30.629 42.85,30.62 42.808,30.592 42.78,30.55 42.771,30.5 42.771,16.429 38.7,16.429 38.65,16.42 38.608,16.392 38.58,16.35 38.571,16.3 38.571,12.154 37.046,10.629 25.9,10.629 25.85,10.62 25.808,10.592 25.78,10.55 25.771,10.5 25.771,0.51 5.5,0.51 5.482,0.509 5.206,0.518 4.914,0.547 4.624,0.594 4.337,0.661 4.056,0.747 3.781,0.85 3.513,0.971 3.254,1.11 3.004,1.265 2.766,1.436 2.538,1.623 2.324,1.824 2.123,2.038 1.936,2.266 1.765,2.504 1.61,2.754 1.471,3.013 1.35,3.281 1.247,3.556 1.161,3.837 1.094,4.124 1.047,4.414 1.018,4.706 1.009,4.982 1.01,5 1.01,41.871 12.771,41.871 12.771,35.9 12.78,35.85 12.808,35.808 12.85,35.78 12.9,35.771 35.9,35.771 35.95,35.78 35.992,35.808 36.02,35.85 36.029,35.9 36.029,45.346 42.954,52.271 54.99,52.271
CANISO_GND on L3 (GND) (split plane): 54.99,5 54.991,4.982 54.982,4.706 54.953,4.414 54.906,4.124 54.839,3.837 54.753,3.556 54.65,3.281 54.529,3.013 54.39,2.754 54.235,2.504 54.064,2.266 53.877,2.038 53.676,1.824 53.462,1.623 53.234,1.436 52.996,1.265 52.746,1.11 52.487,0.971 52.219,0.85 51.944,0.747 51.663,0.661 51.376,0.594 51.086,0.547 50.794,0.518 50.518,0.509 50.5,0.51 26.029,0.51 26.029,10.371 37.1,10.371 37.15,10.38 37.192,10.408 38.792,12.008 38.82,12.05 38.829,12.1 38.829,16.171 42.9,16.171 42.95,16.18 42.992,16.208 43.02,16.25 43.029,16.3 43.029,30.371 54.99,30.371
GND_UN-ISO on L3 (GND) (split plane): 50.794,64.482 51.086,64.453 51.376,64.406 51.663,64.339 51.944,64.253 52.219,64.15 52.487,64.029 52.746,63.89 52.996,63.735 53.234,63.564 53.462,63.377 53.676,63.176 53.877,62.962 54.064,62.734 54.235,62.496 54.39,62.246 54.529,61.987 54.65,61.719 54.753,61.444 54.839,61.163 54.906,60.876 54.953,60.586 54.982,60.294 54.991,60.018 54.99,60 54.99,52.529 42.9,52.529 42.85,52.52 42.808,52.492 35.808,45.492 35.78,45.45 35.771,45.4 35.771,36.029 13.029,36.029 13.029,42 13.02,42.05 12.992,42.092 12.95,42.12 12.9,42.129 1.01,42.129 1.01,60 1.009,60.018 1.018,60.294 1.047,60.586 1.094,60.876 1.161,61.163 1.247,61.444 1.35,61.719 1.471,61.987 1.61,62.246 1.765,62.496 1.936,62.734 2.123,62.962 2.324,63.176 2.538,63.377 2.766,63.564 3.004,63.735 3.254,63.89 3.513,64.029 3.781,64.15 4.056,64.253 4.337,64.339 4.624,64.406 4.914,64.453 5.206,64.482 5.482,64.491 5.5,64.49 50.5,64.49 50.518,64.491
GND on L2 (GND) (split plane): 54.99,30.629 42.9,30.629 42.85,30.62 42.808,30.592 42.78,30.55 42.771,30.5 42.771,16.429 38.7,16.429 38.65,16.42 38.608,16.392 38.58,16.35 38.571,16.3 38.571,12.154 37.046,10.629 25.9,10.629 25.85,10.62 25.808,10.592 25.78,10.55 25.771,10.5 25.771,0.51 5.5,0.51 5.482,0.509 5.206,0.518 4.914,0.547 4.624,0.594 4.337,0.661 4.056,0.747 3.781,0.85 3.513,0.971 3.254,1.11 3.004,1.265 2.766,1.436 2.538,1.623 2.324,1.824 2.123,2.038 1.936,2.266 1.765,2.504 1.61,2.754 1.471,3.013 1.35,3.281 1.247,3.556 1.161,3.837 1.094,4.124 1.047,4.414 1.018,4.706 1.009,4.982 1.01,5 1.01,42.071 9.9,42.071 9.95,42.08 9.992,42.108 10.02,42.15 10.029,42.2 10.029,44.871 11.071,44.871 11.071,42.2 11.08,42.15 11.108,42.108 11.15,42.08 11.2,42.071 12.871,42.071 12.871,31 12.88,30.95 12.908,30.908 12.95,30.88 13,30.871 35.9,30.871 35.95,30.88 35.992,30.908 36.292,31.208 36.32,31.25 36.329,31.3 36.329,46.546 42.054,52.271 54.99,52.271
CANISO_GND on L2 (GND) (split plane): 54.99,5 54.991,4.982 54.982,4.706 54.953,4.414 54.906,4.124 54.839,3.837 54.753,3.556 54.65,3.281 54.529,3.013 54.39,2.754 54.235,2.504 54.064,2.266 53.877,2.038 53.676,1.824 53.462,1.623 53.234,1.436 52.996,1.265 52.746,1.11 52.487,0.971 52.219,0.85 51.944,0.747 51.663,0.661 51.376,0.594 51.086,0.547 50.794,0.518 50.518,0.509 50.5,0.51 26.029,0.51 26.029,10.371 37.1,10.371 37.15,10.38 37.192,10.408 38.792,12.008 38.82,12.05 38.829,12.1 38.829,16.171 42.9,16.171 42.95,16.18 42.992,16.208 43.02,16.25 43.029,16.3 43.029,30.371 54.99,30.371
GND_UN-ISO on L2 (GND) (split plane): 50.794,64.482 51.086,64.453 51.376,64.406 51.663,64.339 51.944,64.253 52.219,64.15 52.487,64.029 52.746,63.89 52.996,63.735 53.234,63.564 53.462,63.377 53.676,63.176 53.877,62.962 54.064,62.734 54.235,62.496 54.39,62.246 54.529,61.987 54.65,61.719 54.753,61.444 54.839,61.163 54.906,60.876 54.953,60.586 54.982,60.294 54.991,60.018 54.99,60 54.99,52.529 42,52.529 41.95,52.52 41.908,52.492 36.108,46.692 36.08,46.65 36.071,46.6 36.071,31.354 35.846,31.129 13.129,31.129 13.129,42.2 13.12,42.25 13.092,42.292 13.05,42.32 13,42.329 11.329,42.329 11.329,45 11.32,45.05 11.292,45.092 11.25,45.12 11.2,45.129 9.9,45.129 9.85,45.12 9.808,45.092 9.78,45.05 9.771,45 9.771,42.329 1.01,42.329 1.01,60 1.009,60.018 1.018,60.294 1.047,60.586 1.094,60.876 1.161,61.163 1.247,61.444 1.35,61.719 1.471,61.987 1.61,62.246 1.765,62.496 1.936,62.734 2.123,62.962 2.324,63.176 2.538,63.377 2.766,63.564 3.004,63.735 3.254,63.89 3.513,64.029 3.781,64.15 4.056,64.253 4.337,64.339 4.624,64.406 4.914,64.453 5.206,64.482 5.482,64.491 5.5,64.49 50.5,64.49 50.518,64.491

## Keep-outs
L1 (SIG + PWR):
  lines w0.254: 0.5,42.2 9.9,42.2 9.9,45 11.2,45 ; 11.2,42.2 13,42.2 13,31 24.9,31 ; 11.206,42.19 11.206,44.963 ; 12.998,42.19 13.003,42.19 ; 24.9,30.996 24.9,31 ; 25.911,-0.007 25.911,10.493 37.111,10.493 ; 35.882,30.996 35.896,30.996 ; 37.136,10.518 38.713,12.095 ; 38.711,12.093 38.711,16.293 42.911,16.293 42.911,30.493 ; 42.9,30.5 55.5,30.5 ; 55.5,52.4 42,52.4 36.2,46.6 36.2,31.3 35.9,31 24.9,31
L4 (SIG + PWR):
  lines w0.254: 0.5,42 12.9,42 12.9,35.9 35.9,35.9 35.9,45.4 42.9,52.4 55.5,52.4 ; 25.9,0 25.9,10.5 ; 25.911,10.493 25.936,10.518 ; 25.925,10.525 25.9,10.5 ; 37.1,10.5 25.9,10.5 ; 37.125,10.525 38.702,12.102 38.703,12.102 ; 38.7,12.1 38.7,16.3 42.9,16.3 42.9,30.5 ; 42.911,30.493 55.511,30.493 ; 38.713,12.095 38.714,12.095
Keep-Out Layer:
  region: 23.8,16.7 25.8,18.7 25.9,18.8 29,18.8 31.7,16.1 31.7,12.4 29.1,9.8 25.9,9.8 23.3,12.4 23.3,16.2
  region: 26.2,16.3 39.1,16.3 39.1,11.9 26.2,11.9

## Other copper
L2 (GND) (plane layer: these items are gaps in the copper):
  lines w0.254: 0.5,42 0.7,42.2 ; 0.5,42.2 9.9,42.2 9.9,45 11.2,45 11.2,42.2 13,42.2 13,31 35.9,31 36.2,31.3 ; 25.9,0 25.9,10.5 37.1,10.5 38.7,12.1 38.7,16.3 42.9,16.3 42.9,30.5 55.5,30.5 ; 55.5,54.6 55.5,52.4 42,52.4 36.2,46.6 36.2,31.3 ; 36.2,31.3 36.2,31.3
L3 (GND) (plane layer: these items are gaps in the copper):
  lines w0.254: 0.5,42 12.9,42 12.9,35.9 35.9,35.9 35.9,45.4 42.9,52.4 55.5,52.4 55.5,54.6 ; 25.8,0.2 26,0 ; 25.9,0 25.9,10.5 37.1,10.5 38.7,12.1 38.7,16.3 39.1,16.3 42.9,16.3 42.9,30.5 55.5,30.5 ; 43,30.5 43.9,30.5

## Silkscreen, mask and mechanical layers (free items; w line width, h text height)
Top Overlay:
  drawing of 217 lines, arcs and shapes, not listed
  text "LED1" at 20.296,58.35 h1 r90
  text "LED4" at 12.804,58.25 h1 r90
  text "LED3" at 15.296,58.25 h1 r90
  text "LED2" at 17.804,58.25 h1 r90
  text "LED +" at 11.05,56.55 h1.75 r90
  text "女儿" at 52.789,55.2 h4 r90
  text "GND" at 44.828,46.15 h1 r90
  text "BOARD ID" at 42.435,44.65 h1 r90
  text "2A" at 36.75,41.45 h1.75 r90
  text "+12V" at 44.836,41.05 h1 r90
  text "NRST" at 44.71,34.95 h0.6 r90
  text "SWDIO" at 44.71,32.75 h0.6 r90
  text "SWCLK" at 44.71,30.55 h0.6 r90
  text "+12V LED" at 42.95,29.65 h0.6 r90
  text "-" at 44.663,29.65 h0.6 r90
  text "SWCLK" at 6.538,28.036 h0.8 r90
  text "CAN" at 44.71,28.05 h0.6 r90
  text "+" at 44.71,27.25 h0.6 r90
  text "GND" at 6.538,25.84 h0.8 r90
  text "SWDIO" at 6.538,22.973 h0.8 r90
  text "NRST" at 6.538,20.765 h0.8 r90
  text "RX" at 6.55,18.562 h0.8 r90
  text "CAN GND" at 45.05,17.25 h1.75 r90
  text "+5V LED" at 42.941,16.95 h0.6 r90
  text "TX" at 6.55,16.048 h0.8 r90
  text "MCU RESET" at 14.325,13.85 h1.75 r90
  text "+12V" at 5.45,11.95 h0.8 r90
  text "+5V" at 5.438,8.914 h0.8 r90
  text "POWER" at 8.425,8.55 h1.75 r90
  text "TEST" at 10.525,8.55 h1.75 r90
  text "POINTS" at 12.625,8.55 h1.75 r90
  text "+3V3" at 12.738,4.531 h0.8 r90
  text "女 / 儿" at 52.8,4 h4.5 r90
  text "FROM PSB" at 41.425,2.95 h1.75 r90
  text "GND" at 12.738,1.38 h0.8 r90
  text "AUV 4.5-1 Lights Control" at 22.095,1.2 h1.75 r90
  text "Designed by Irwin" at 23.695,1.2 h1.75 r90
Bottom Overlay:
  circle w0.254: c5.5,59.6 r3.25
  circle w0.254: c5.5,5 r3.25
  lines w0.254: 14.6,49.3 15.8,49.3 ; 15.2,48.7 15.2,49.9 ; 15.2,52.5 15.2,53.7
  text "LED -" at 36.15,64.65 h1.75 r90
  text "女儿" at 52.789,62.951 h4 r90
  text "LED4" at 38.754,54.45 h1 r90
  text "LED3" at 41.246,54.45 h1 r90
  text "LED2" at 43.754,54.45 h1 r90
  text "LED1" at 46.246,54.45 h1 r90
  text "BATT" at 2.25,45.45 h1.75 r90
  text "BOARD ID POT" at 38.438,42.85 h0.8 r90
  text "MCU LED" at 12.238,30.65 h0.8 r90
  text "LOW" at 10.538,30.464 h0.8 r90
  text "SWCLK" at 3.738,30.164 h0.8 r90
  text "BOOT0" at 10.538,28.272 h0.8 r90
  text "GND" at 3.738,27.28 h0.8 r90
  text "HIGH" at 10.538,25.464 h0.8 r90
  text "SWDIO" at 3.738,25.067 h0.8 r90
  text "NRST" at 3.738,22.195 h0.8 r90
  text "RX" at 3.738,19.318 h0.8 r90
  text "TX" at 3.738,16.752 h0.8 r90
  text "RX" at 12.85,8.978 h0.8 r90
  text "女 / 儿" at 52.8,8.04 h4.5 r90
  text "CAN" at 12.85,7.162 h0.8
  text "TX" at 12.85,6.552 h0.8 r90